# Altium PCB SNES_DRONE_PCB.PcbDoc (part 1 of 2) (continued)
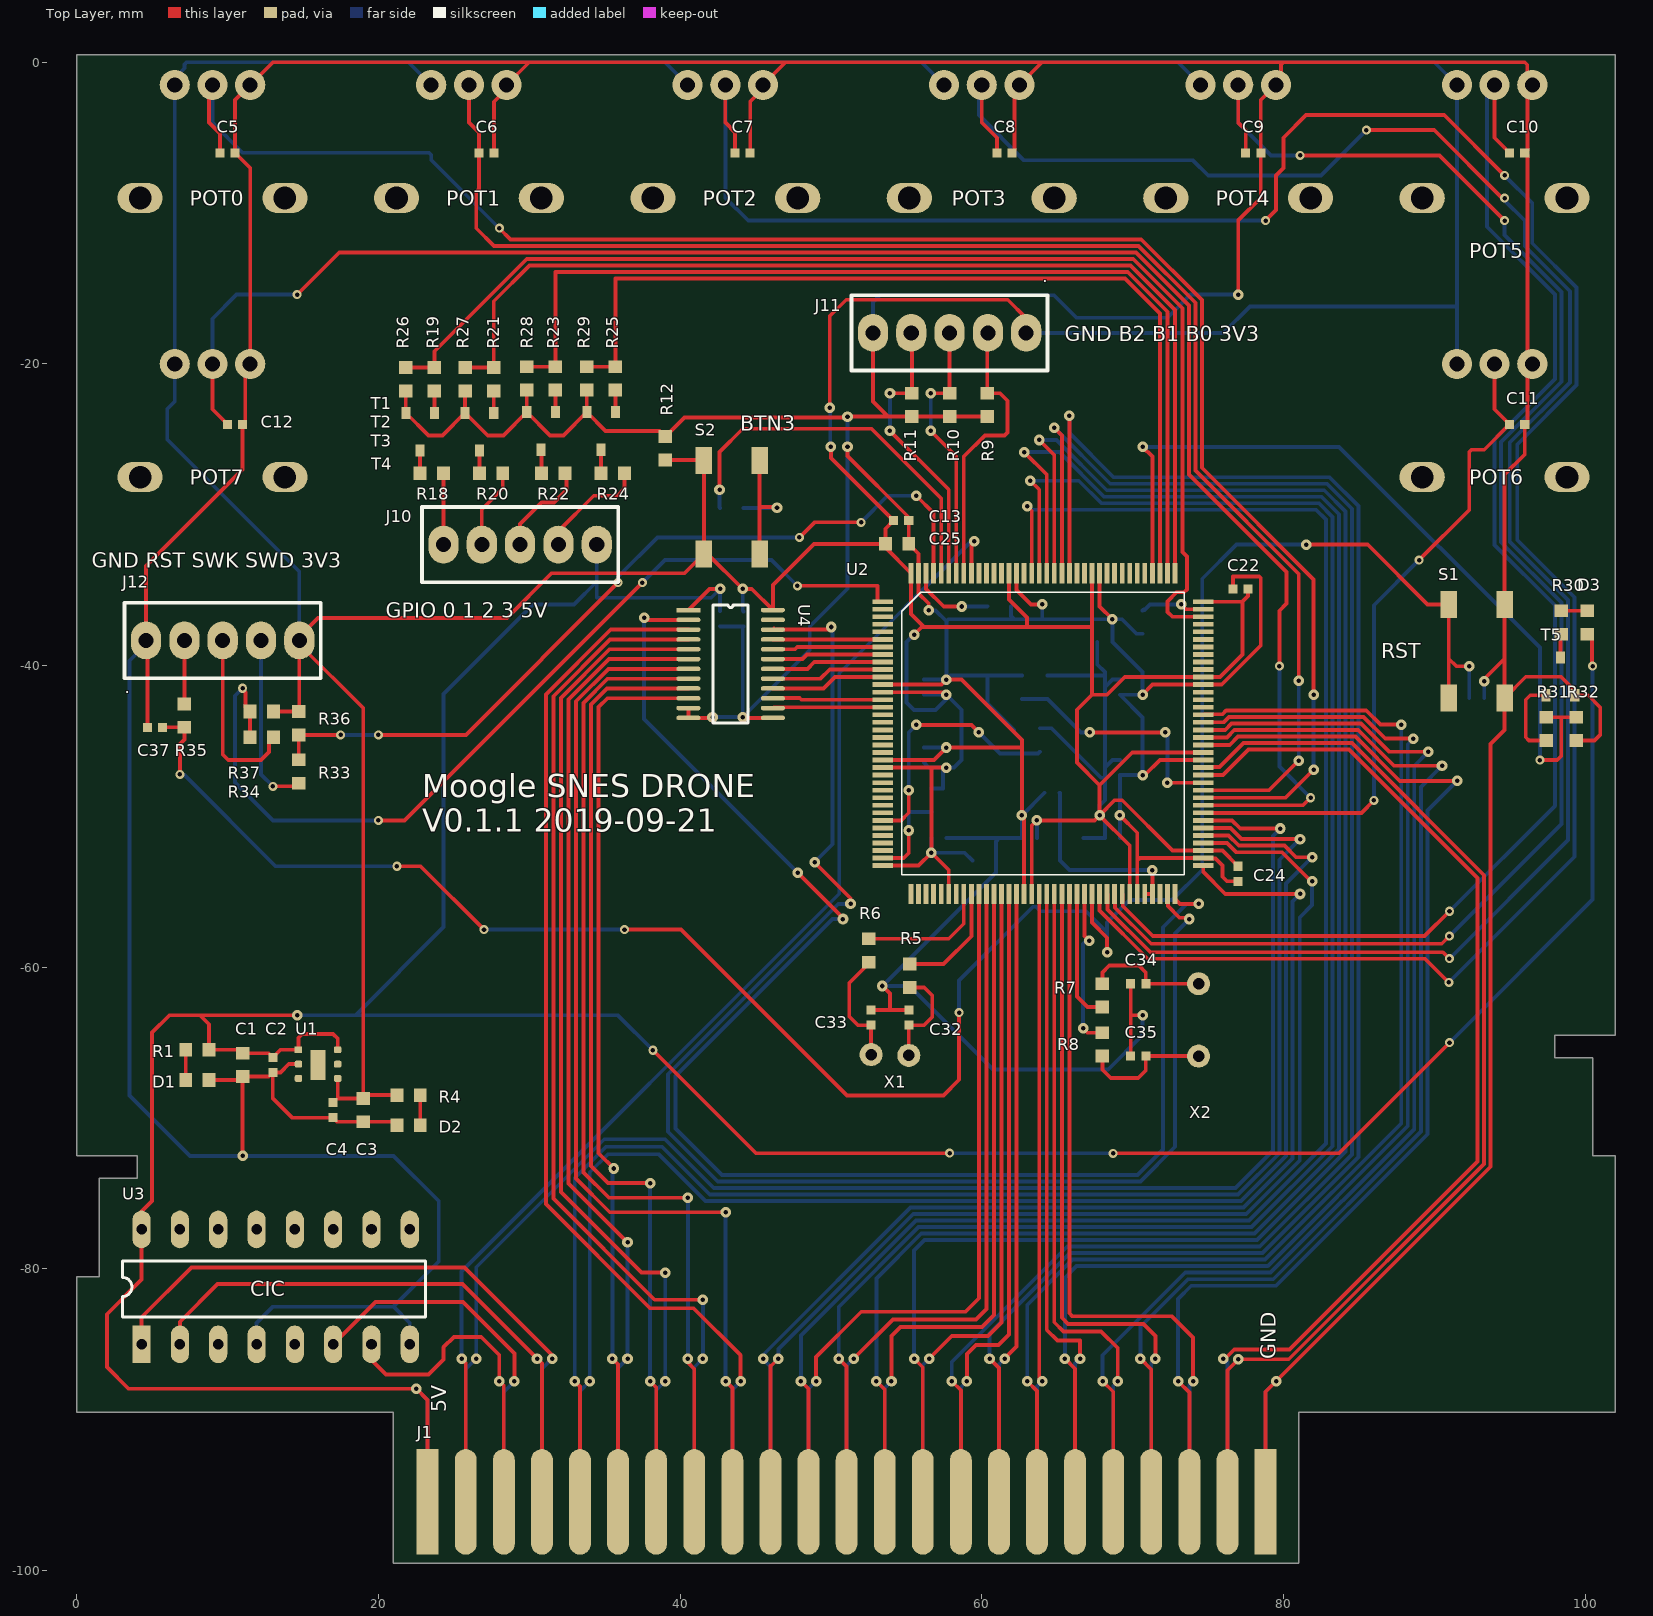
[diagram p0: Top Layer view]
## Components (designator, comment, footprint, x,y, rotation, side; value= is the part's Value field where it differs from the comment) (continued)
P7 "RES_POT_100k_LIN_ALPHA_EURACK" ALPHA_T18 94,-20 r0 bottom value="100k lin"
P8 "RES_POT_100k_LIN_ALPHA_EURACK" ALPHA_T18 9,-20 r0 bottom value="100k lin"
R1 "220Ohm 100mW" 0603_RES 8,-65.47 r0 top value=220R
R2 "DNP" 0603_DNP 56.66,-48.93 r270 bottom value=dnp
R4 "100Ohm 100mW" 0603_RES 22,-68.47 r180 top value=100R
R5 "0R" 0603_RES 55.215,-60.565 r90 top
R6 "0R" 0603_RES 52.515,-58.886 r90 top
R7 "0R" 0603_RES 68,-61.865 r270 top
R8 "0R" 0603_RES 68,-65.115 r90 top
R9 "10kOhm 100mW" 0603_RES 60.365,-22.715 r90 top value=10k
R10 "10kOhm 100mW" 0603_RES 57.865,-22.715 r90 top value=10k
R11 "10kOhm 100mW" 0603_RES 55.365,-22.715 r90 top value=10k
R12 "220kOhm 100mW" 0603_RES 39.015,-25.59 r270 top value=220k
R13 "220Ohm 100mW" 0603_RES 43.425,-29.54 r180 bottom value=220R
R14 "DNP" 0603_DNP 63.855,-44.93 r270 bottom value=dnp
R15 "10kOhm 100mW" 0603_RES 62.15,-45.048 r270 bottom value=10k
R16 "DNP" 0603_DNP 64.364,-41.43 r270 bottom value=dnp
R17 "10kOhm 100mW" 0603_RES 62.66,-41.43 r270 bottom value=10k
R18 "DNP" 0603_DNP 23.54,-27.24 r0 top value=dnp
R19 "10kOhm 100mW" 0603_RES 23.715,-21.015 r270 top value=10k
R20 "DNP" 0603_DNP 27.47,-27.24 r0 top value=dnp
R21 "10kOhm 100mW" 0603_RES 27.645,-21.009 r270 top value=10k
R22 "DNP" 0603_DNP 31.59,-27.24 r0 top value=dnp
R23 "10kOhm 100mW" 0603_RES 31.735,-20.959 r270 top value=10k
R24 "DNP" 0603_DNP 35.54,-27.24 r0 top value=dnp
R25 "10kOhm 100mW" 0603_RES 35.715,-20.959 r270 top value=10k
R26 "100kOhm 100mW" 0603_RES 21.815,-21.015 r90 top value=100k
R27 "100kOhm 100mW" 0603_RES 25.745,-21.009 r90 top value=100k
R28 "100kOhm 100mW" 0603_RES 29.835,-20.959 r90 top value=100k
R29 "100kOhm 100mW" 0603_RES 33.815,-20.959 r90 top value=100k
R30 "DNP" 0603_DNP 98.415,-37.14 r90 top value=dnp
R31 "10kOhm 100mW" 0603_RES 97.415,-44.196 r270 top value=10k
R32 "100kOhm 100mW" 0603_RES 99.415,-44.196 r90 top value=100k
R33 "100Ohm 100mW" 0603_RES 14.716,-47.019 r90 top value=100R
R34 "100Ohm 100mW" 0603_RES 12.262,-44.744 r180 top value=100R
R35 "100Ohm 100mW" 0603_RES 7.136,-43.315 r270 top value=100R
R36 "10kOhm 100mW" 0603_RES 14.716,-43.815 r90 top value=10k
R37 "10kOhm 100mW" 0603_RES 12.262,-43.04 r0 top value=10k
S1 "SW-Button_SMD" SKQGAFE010 92.815,-39.04 r90 top
S2 "SW-Button_SMD" SKQGAFE010 43.425,-29.49 r270 top
T1 "BC817" TO-236AB 23.715,-23.24 r180 top
T2 "BC817" TO-236AB 27.645,-23.24 r180 top
T3 "BC817" TO-236AB 31.735,-23.19 r180 top
T4 "BC817" TO-236AB 35.715,-23.19 r180 top
T5 "BC817" TO-236AB 97.415,-41.965 r0 top
U1 "3V3 LDO" DFN6_3X3 14.7,-65.47 r0 top
U2 "STM32F446ZE" LQFP144_SMALL_PADS 55.31,-55.14 r0 top
U3 "IC_D411A" DIP16 8.11,-81.19 r90 top net-tie
U4 "IC_SN74LVCC3245APWR" TSSOP24 40.55,-36.315 r0 top
X1 "32.768kHz" XTAL_32768KHZ 55.165,-65.84 r180 top
X2 "8MHz" XTAL_8MHZ 74.375,-61.09 r270 top

## Footprints (in the part's own frame and the unit in brackets; to place one, negate y for a bottom-side part, rotate by r counter-clockwise, add the part's x,y. Pads: shape width x height; smd on the part's side, far side on the other; paste and mask are expansions set on the pad)
0402_RES [mm]
  rect 0.6x0.6 smd: 1(-0.5,0) 2(0.5,0)
  body extent -0.5,-0.25 0.5,0.25, height 0.75
0603_DNP [mm]
  rect 0.85x0.9 smd: 1(-0.775,0) 2(0.775,0)
0603_LED [mm]
  rect 0.85x0.9 smd: 1(-0.775,0) 2(0.775,0)
  body extent -0.77,-0.4 0.83,0.4, height 1.07
0603_RES [mm]
  rect 0.85x0.9 smd: 1(-0.775,0) 2(0.775,0)
  body extent -0.85,-0.4 0.85,0.4, height 0.56
ALPHA_T18 [mm]
  round 2 hole 1: 1(-2.5,0) 2(0,0) 3(2.5,0)
  oval 3x2 hole 1.5: 4(-4.8,7.5) 5(4.8,7.5)
  silkscreen extent -6,-1 6,12, body extent -5.74,-0.09 5.79,12.26, height 30.04
DFN6_3X3 [mm]
  rect 0.5x0.45 smd: 1(0,0)
  rrect50% 0.5x0.45 smd: 2(0,-0.95) 3(0,-1.9) 4(2.6,-1.9) 5(2.6,-0.95) 6(2.6,0)
  rect 1x2 smd: 7(1.3,-1)
  body extent -0.25,-2.45 2.85,0.55, height 0.75
DIP16 [mm]
  rect 2.5x1.2 hole 0.7: 1(-3.81,3.81)
  oval 2.5x1.2 hole 0.7: 2(-3.81,1.27) 3(-3.81,-1.27) 4(-3.81,-3.81) 5(-3.81,-6.35) 6(-3.81,-8.89) 7(-3.81,-11.43) 8(-3.81,-13.97) 9(3.81,-13.97) 10(3.81,-11.43) 11(3.81,-8.89) 12(3.81,-6.35) 13(3.81,-3.81) 14(3.81,-1.27) 15(3.81,1.27) 16(3.81,3.81)
  silkscreen extent -2,-15 1.73,5.08, body extent -3.93,-14.98 3.94,4.98, height 5.2
LQFP144_SMALL_PADS [mm]
  rect 0.32x1.35 smd: 1(0,0) 2(0.5,0) 3(1,0) 4(1.5,0) 5(2,0) 6(2.5,0) 7(3,0) 8(3.5,0) 9(4,0) 10(4.5,0) 11(5,0) 12(5.5,0) 13(6,0) 14(6.5,0) 15(7,0) 16(7.5,0) 17(8,0) 18(8.5,0) 19(9,0) 20(9.5,0) 21(10,0) 22(10.5,0) 23(11,0) 24(11.5,0) 25(12,0) 26(12.5,0) 27(13,0) 28(13.5,0) 29(14,0) 30(14.5,0) 31(15,0) 32(15.5,0) 33(16,0) 34(16.5,0) 35(17,0) 36(17.5,0) 73(17.5,21.26) 74(17,21.26) 75(16.5,21.26) 76(16,21.26) 77(15.5,21.26) 78(15,21.26) 79(14.5,21.26) 80(14,21.26) 81(13.5,21.26) 82(13,21.26) 83(12.5,21.26) 84(12,21.26) 85(11.5,21.26) 86(11,21.26) 87(10.5,21.26) 88(10,21.26) 89(9.5,21.26) 90(9,21.26) 91(8.5,21.26) 92(8,21.26) 93(7.5,21.26) 94(7,21.26) 95(6.5,21.26) 96(6,21.26) 97(5.5,21.26) 98(5,21.26) 99(4.5,21.26) 100(4,21.26) 101(3.5,21.26) 102(3,21.26) 103(2.5,21.26) 104(2,21.26) 105(1.5,21.26) 106(1,21.26) 107(0.5,21.26) 108(0,21.26)
  rect 1.35x0.32 smd: 37(19.38,1.88) 38(19.38,2.38) 39(19.38,2.88) 40(19.38,3.38) 41(19.38,3.88) 42(19.38,4.38) 43(19.38,4.88) 44(19.38,5.38) 45(19.38,5.88) 46(19.38,6.38) 47(19.38,6.88) 48(19.38,7.38) 49(19.38,7.88) 50(19.38,8.38) 51(19.38,8.88) 52(19.38,9.38) 53(19.38,9.88) 54(19.38,10.38) 55(19.38,10.88) 56(19.38,11.38) 57(19.38,11.88) 58(19.38,12.38) 59(19.38,12.88) 60(19.38,13.38) 61(19.38,13.88) 62(19.38,14.38) 63(19.38,14.88) 64(19.38,15.38) 65(19.38,15.88) 66(19.38,16.38) 67(19.38,16.88) 68(19.38,17.38) 69(19.38,17.88) 70(19.38,18.38) 71(19.38,18.88) 72(19.38,19.38) 109(-1.88,19.38) 110(-1.88,18.88) 111(-1.88,18.38) 112(-1.88,17.88) 113(-1.88,17.38) 114(-1.88,16.88) 115(-1.88,16.38) 116(-1.88,15.88) 117(-1.88,15.38) 118(-1.88,14.88) 119(-1.88,14.38) 120(-1.88,13.88) 121(-1.88,13.38) 122(-1.88,12.88) 123(-1.88,12.38) 124(-1.88,11.88) 125(-1.88,11.38) 126(-1.88,10.88) 127(-1.88,10.38) 128(-1.88,9.88) 129(-1.88,9.38) 130(-1.88,8.88) 131(-1.88,8.38) 132(-1.88,7.88) 133(-1.88,7.38) 134(-1.88,6.88) 135(-1.88,6.38) 136(-1.88,5.88) 137(-1.88,5.38) 138(-1.88,4.88) 139(-1.88,4.38) 140(-1.88,3.88) 141(-1.88,3.38) 142(-1.88,2.88) 143(-1.88,2.38) 144(-1.88,1.88)
  silkscreen extent -0.62,1.26 18.12,20, body extent -2.25,-0.25 19.75,21.75, height 1.45
MOLEX_22-27-2051 [mm] "5 pin molex connector 2.54mm width"
  oval 2x2.5 hole 1: 1(-5.08,0) 2(-2.54,0) 3(0,0) 4(2.54,0) 5(5.08,0)
  silkscreen extent -6.5,-2.5 6.5,2.5, body extent -6.35,-2.9 6.35,2.9, height 11.92
SKQGAFE010 [mm]
  rect 1.8x1.1 smd: 1(-3.1,1.85) 1(3.1,1.85) 3(-3.1,-1.85) 3(3.1,-1.85)
  body extent -3.1,-2.55 3.3,2.65, height 1.5
"SNES Cartridge Connector" [mm]
  rect 1.45x7 smd far side: 5(55.55,0) 27(0,0)
  oval 1.45x7 smd far side: 6(53.025,0) 7(50.5,0) 8(47.975,0) 9(45.45,0) 10(42.925,0) 11(40.4,0) 12(37.875,0) 13(35.35,0) 14(32.825,0) 15(30.3,0) 16(27.775,0) 17(25.25,0) 18(22.725,0) 19(20.2,0) 20(17.675,0) 21(15.15,0) 22(12.625,0) 23(10.1,0) 24(7.575,0) 25(5.05,0) 26(2.525,0)
  rect 1.45x7 smd: 36(55.55,0) 58(0,0)
  oval 1.45x7 smd: 37(53.025,0) 38(50.5,0) 39(47.975,0) 40(45.45,0) 41(42.925,0) 42(40.4,0) 43(37.875,0) 44(35.35,0) 45(32.825,0) 46(30.3,0) 47(27.775,0) 48(25.25,0) 49(22.725,0) 50(20.2,0) 51(17.675,0) 52(15.15,0) 53(12.625,0) 54(10.1,0) 55(7.575,0) 56(5.05,0) 57(2.525,0)
TO-236AB [mm]
  rect 0.6x0.8 smd: 1(0,0) 2(1.9,0) 3(0.95,2.5)
  body extent -0.45,-0.15 2.45,2.65, height 10
TSSOP24 [mm]
  rect 1.6x0.3 smd: 1(0,0)
  oval 1.6x0.3 smd: 2(0,-0.65) 3(0,-1.3) 4(0,-1.95) 5(0,-2.6) 6(0,-3.25) 7(0,-3.9) 8(0,-4.55) 9(0,-5.2) 10(0,-5.85) 11(0,-6.5) 12(0,-7.15) 13(5.6,-7.15) 14(5.6,-6.5) 15(5.6,-5.85) 16(5.6,-5.2) 17(5.6,-4.55) 18(5.6,-3.9) 19(5.6,-3.25) 20(5.6,-2.6) 21(5.6,-1.95) 22(5.6,-1.3) 23(5.6,-0.65) 24(5.6,0)
  silkscreen extent 1.63,-7.48 3.97,0.33, body extent -0.45,-7.5 5.95,0.3, height 1.11
XTAL_8MHZ [mil]
  round 60 hole 30: 1(0,0) 2(188.98,0)
  body extent -123,-94 312,89, height 138
XTAL_32768KHZ [mil]
  round 60 hole 30: 1(0,0) 2(98.43,-1.97)
  body extent -4,-43 106,39, height 323

## Part data
C1 C3 C27: library part Cap_1u_0603, "Keramikvielschichtkondensator, SMD, 1 µF, 10 V, 0603 [Metrisch 1608], ± 20%, X5R, WCAP-CSGP Series", Manufacturer 1="WURTH ELEKTRONIK", Manufacturer Part Number 1=885012106010, Supplier Part Number 1=2533941, ComponentLink1Description=datasheet, ComponentLink1URL=http://www.farnell.com/datasheets/2031757.pdf?_ga=2.58341487.453785206.1540794792-1293375253.1539206166, ComponentLink2Description=farnell, ComponentLink2URL=https://at.farnell.com/wurth-elektronik/885012106010/kondensator-1-f-10v-20-x5r-0603/dp/2533941?st=1%C2%B5F%20SMD, datasheet=http://www.farnell.com/datasheets/2046096.pdf?_ga=2.184862249.1080119096.1514547302-1693477411.1514385574, farnell number=1166020, Supplier 1=Farnell, Supplier Order Qty 1=10, Supplier Unit Price 1=0,0826
C2 C4 C13 C14 C15 C16 C17 C18 C19 C20 C21 C22 C23 C24 C26 C30 C31 C36 C37: library part Cap_100n_0402, "Keramikvielschichtkondensator, SMD, 0.1 µF, 16 V, 0402 [Metrisch 1005], ± 10%, X5R, Baureihe MC", Manufacturer 1=MULTICOMP, Manufacturer Part Number 1=MC0402X104K160CT, Supplier Part Number 1=1760121, ComponentLink1Description=datasheet, ComponentLink1URL=http://www.farnell.com/datasheets/1901289.pdf?_ga=2.126104776.453785206.1540794792-1293375253.1539206166, ComponentLink2Description=farnell, ComponentLink2URL=https://at.farnell.com/multicomp/mc0402x104k160ct/kondensator-0-1-f-16v-10-x5r-0402/dp/1759388?st=1%C2%B5F%20SMD, datasheet=http://www.farnell.com/datasheets/2046096.pdf?_ga=2.184862249.1080119096.1514547302-1693477411.1514385574, farnell number=1759388, Supplier 1=Farnell, Supplier Order Qty 1=10, Supplier Unit Price 1=0,0226
C5 C6 C7 C8 C9 C10 C11 C12: library part Cap_10n_0402, "Keramikvielschichtkondensator, SMD, 10000 pF, 50 V, 0402 [Metrisch 1005], ± 10%, X7R, AVX 0402 MLCC", Manufacturer 1=AVX, Manufacturer Part Number 1=04025C103KAT2A, Supplier Part Number 1=2332514RL, ComponentLink1Description=farnell, ComponentLink1URL=https://at.farnell.com/avx/04025c103kat2a/kondensator-0-01-f-50v-10-x7r/dp/2332514, ComponentLink2Description=datasheet, ComponentLink2URL=http://www.farnell.com/datasheets/2237835.pdf?_ga=2.156697970.876692561.1541506444-1931041576.1541506444, datasheet=http://www.farnell.com/datasheets/2237835.pdf?_ga=2.110684748.876692561.1541506444-1931041576.1541506444, farnell number=2332514, Supplier 1=Farnell, Supplier Order Qty 1=10, Supplier Unit Price 1=0,0689
C25: library part Cap_4u7_0603, "Keramikvielschichtkondensator, SMD, 4.7 µF, 16 V, 0603 [Metrisch 1608], ± 10%, X5R, Baureihe C", Manufacturer 1=TDK, Manufacturer Part Number 1=C1608X5R1C475K080AC, Supplier Part Number 1=2366559, ComponentLink1Description=datasheet, ComponentLink1URL=http://www.farnell.com/datasheets/2291921.pdf?_ga=2.59363432.453785206.1540794792-1293375253.1539206166, ComponentLink2Description=farnell, ComponentLink2URL=https://at.farnell.com/tdk/c1608x5r1c475k080ac/kondensator-4-7-f-16v-10-x5r-0603/dp/2211173, datasheet=http://www.farnell.com/datasheets/2046096.pdf?_ga=2.184862249.1080119096.1514547302-1693477411.1514385574, farnell number=2211173, Supplier 1=Farnell, Supplier Order Qty 1=10, Supplier Unit Price 1=0,2853
C28 C29: library part Cap_2u2_0603, "C1608X7R1A225K080AC -  Keramikvielschichtkondensator, SMD, 2.2 µF, 10 V, 0603 [Metrisch 1608], ± 10%, X7R, Baureihe C", Manufacturer 1=TDK, Manufacturer Part Number 1=C1608X7R1A225K080AC, Supplier Part Number 1=2354341, ComponentLink1Description=datasheet, ComponentLink1URL=http://www.farnell.com/datasheets/2291921.pdf?_ga=2.136060017.197329085.1542397831-1931041576.1541506444, ComponentLink2Description=farnell, ComponentLink2URL=https://at.farnell.com/tdk/c1608x7r1a225k080ac/kondensator-2-2-f-10v-10-x7r-0603/dp/2346896, farnell number=2346896, Supplier 1=Farnell, Supplier Order Qty 1=10, Supplier Unit Price 1=0,177
C32 C33 C34 C35: library part Cap_2p7_0402, "Keramikvielschichtkondensator, SMD, 2.7 pF, 50 V, 0402 [Metrisch 1005], ± 0.25pF, C0G / NP0", Manufacturer 1=KEMET, Manufacturer Part Number 1=C0402C279C5GACTU, Supplier Part Number 1=8771367, ComponentLink1Description=datasheet, ComponentLink1URL=http://www.farnell.com/datasheets/2315001.pdf?_ga=2.24763903.453785206.1540794792-1293375253.1539206166, ComponentLink2Description=farnell, ComponentLink2URL=https://at.farnell.com/kemet/c0402c279c5gactu/kondensator-2-7pf-50v-c0g-np0/dp/1865415, datasheet=http://www.farnell.com/datasheets/2046096.pdf?_ga=2.184862249.1080119096.1514547302-1693477411.1514385574, farnell number=1865415, Supplier 1=Farnell, Supplier Order Qty 1=10, Supplier Unit Price 1=0,0482
D1 D2 D3: library part LED_RED_0603, "RED SMD 0603 LED 20mA 2V 0.04W", Manufacturer 1=KINGBRIGHT, Manufacturer Part Number 1=KPT-1608EC, Supplier Part Number 1=2099221RL, ComponentLink1Description=datasheet, ComponentLink1URL=http://www.farnell.com/datasheets/2045911.pdf?_ga=2.71890899.197329085.1542397831-1931041576.1541506444, ComponentLink2Description=farnell, ComponentLink2URL=https://at.farnell.com/kingbright/kpt-1608ec/led-rot-0603-smd/dp/2099221, datasheet=http://www.farnell.com/datasheets/2045911.pdf?_ga=2.71890899.197329085.1542397831-1931041576.1541506444, farnell number=2099221, Supplier 1=Farnell, Supplier Order Qty 1=5, Supplier Unit Price 1=0,0686
J10 J11 J12: "5 pin molex connector", Manufacturer 1=Molex, Manufacturer Part Number 1=22-27-2051, Supplier Part Number 1=9731679, ComponentLink1Description=datasheet, ComponentLink1URL=http://www.farnell.com/datasheets/1861453.pdf?_ga=2.126244552.471268527.1516457893-947204359.1516457893, ComponentLink2Description=farnell, ComponentLink2URL=http://at.farnell.com/molex/22-27-2051/header-square-pin-0-1zoll-5way/dp/9731679?ost=9731679&ddkey=http%3Ade-AT%2FElement14_Austria%2Fsearch, datasheet=http://www.farnell.com/datasheets/2266141.pdf?_ga=2.175065506.1080119096.1514547302-1693477411.1514385574, farnell number=9731679, Supplier 1=Farnell, Supplier Order Qty 1=10, Supplier Unit Price 1=0,271
L1: library part FER_0603_470R, "BLM18PG471SN1D -  Ferritperle, 0603 [Metrisch 1608], 470 ohm, 1 A, Baureihe BLM18P, 0.2 ohm, ± 25%", Manufacturer 1=MURATA, Manufacturer Part Number 1=BLM18PG471SN1D, Supplier Part Number 1=1515745RL, ComponentLink1Description=datasheet, ComponentLink1URL=http://www.farnell.com/datasheets/1740433.pdf?_ga=2.107600706.197329085.1542397831-1931041576.1541506444, ComponentLink2Description=farnell, ComponentLink2URL=https://at.farnell.com/murata/blm18pg471sn1d/ferrite-perle-0603-bauform-470ohm/dp/1515745?MER=bn_browse_1TP_MostPopular_1, Suppler Unit Price 1=0,0562, Supplier 1=Farnell, Supplier Order Qty 1=10
P1 P2 P3 P4 P5 P6 P7 P8: "Shaft Diameter – 6mm (0.2?) / Shaft Length – 15mm (0.59?)", Manufacturer 1=Alpha, Manufacturer Part Number 1=SP17090051, Supplier Part Number 1="Alpha 9mm Pots", ComponentLink1Description=thonk, ComponentLink1URL=https://www.thonk.co.uk/shop/alpha-9mm-pots-vertical-t18/, ComponentLink2Description=datasheet, ComponentLink2URL=https://www.thonk.co.uk/wp-content/uploads/2017/12/Alpha-9mm-Vertical-T18-RD901F-40-15K-B50K-0057.pdf, Name="Alpha 9mm T18", Supplier 1=Thonk, Supplier Order Qty 1=1, Supplier Unit Price 1=1,99
R1 R13: library part RES_0603_220_100mW, "YAGEO 220Ohm 100mW ± 1%", Manufacturer 1=YAGEO, Manufacturer Part Number 1=RC0603JR-07220RL, Supplier Part Number 1=9233296RL, ComponentLink1Description=datasheet, ComponentLink1URL=http://www.farnell.com/datasheets/2167052.pdf?_ga=2.63044847.197329085.1542397831-1931041576.1541506444, ComponentLink2Description=farnell, ComponentLink2URL=https://at.farnell.com/yageo/rc0603jr-07220rl/dickschichtwiderstand-220r-5-0/dp/9233296, Suppler Unit Price 1=0,053, Supplier 1=Farnell, Supplier Order Qty 1=10
R2 R14 R16 R18 R20 R22 R24 R30: library part RES_DNP
R4 R33 R34 R35: library part RES_0603_100_100mW, "PANASONIC ELECTRONIC COMPONENTS 100Ohm 100mW ± 1%", Manufacturer 1="PANASONIC ELECTRONIC COMPONENTS", Manufacturer Part Number 1=ERJ3EKF1000V, Supplier Part Number 1=2304564, ComponentLink1Description=datasheet, ComponentLink1URL=http://www.farnell.com/datasheets/1911175.pdf?_ga=2.135975793.197329085.1542397831-1931041576.1541506444, ComponentLink2Description=farnell, ComponentLink2URL=https://at.farnell.com/panasonic-electronic-components/erj3ekf1000v/dickschichtwiderstand-100r-1-0/dp/2303059, Suppler Unit Price 1=0,053, Supplier 1=Farnell, Supplier Order Qty 1=10
R5 R6 R7 R8: library part RES_0603_0R, "YAGEO 0R", Manufacturer 1=YAGEO, Manufacturer Part Number 1=RC0603FR-070RL, Supplier Part Number 1=2309106, ComponentLink1Description=datasheet, ComponentLink1URL=http://www.farnell.com/datasheets/1868787.pdf?_ga=2.169539809.197329085.1542397831-1931041576.1541506444, ComponentLink2Description=farnell, ComponentLink2URL=https://at.farnell.com/yageo/rc0603fr-070rl/dickschichtwiderstand-0r0-1-0/dp/2693558, Suppler Unit Price 1=0,053, Supplier 1=Farnell, Supplier Order Qty 1=10
R9 R10 R11 R15 R17 R19 R21 R23 R25 R31 R36 R37: library part RES_0603_10k_100mW, "YAGEO 10kOhm 100mW ± 1%", Manufacturer 1=YAGEO, Manufacturer Part Number 1=RC0603JR-0710KL, Supplier Part Number 1=9233504RL, ComponentLink1Description=datasheet, ComponentLink1URL=http://www.farnell.com/datasheets/2167052.pdf?_ga=2.236107713.197329085.1542397831-1931041576.1541506444, ComponentLink2Description=farnell, ComponentLink2URL=https://at.farnell.com/yageo/rc0603jr-0710kl/dickschichtwiderstand-10k-5-0/dp/9233504, Suppler Unit Price 1=0,0195, Supplier 1=Farnell, Supplier Order Qty 1=10
R12: library part RES_0603_220k_100mW, "VISHAY 220kOhm 100mW ± 1%", Manufacturer 1=VISHAY, Manufacturer Part Number 1=CRCW0603220KFKEA, Supplier Part Number 1=2122659, ComponentLink1Description=datasheet, ComponentLink1URL=http://www.farnell.com/datasheets/2310790.pdf?_ga=2.144355573.197329085.1542397831-1931041576.1541506444, ComponentLink2Description=farnell, ComponentLink2URL=https://at.farnell.com/vishay/crcw0603220kfkea/dickschichtwiderstand-220k-1-0/dp/1469783, Suppler Unit Price 1=0,021, Supplier 1=Farnell, Supplier Order Qty 1=10
R26 R27 R28 R29 R32: library part RES_0603_100k_100mW, "WALSIN 6.8kOhm 100mW 75 ± 1%", Manufacturer 1=YAGEO, Manufacturer Part Number 1=RC0603FR-13100KL, Supplier Part Number 1=1799369, ComponentLink1Description=farnell, ComponentLink1URL=http://at.farnell.com/yageo/rc0603fr-13100kl/dickschichtwiderstand-100k-1-0/dp/2309107?ost=2309107&scope=partnumberlookahead&exaMfpn=true&searchref=searchlookahead&ddkey=http%3Ade-AT%2FElement14_Austria%2Fw%2Fsearch, ComponentLink2Description=datasheet, ComponentLink2URL=http://www.farnell.com/datasheets/2167052.pdf?_ga=2.98118940.2061832810.1527062369-1851341051.1526919624, datasheet=http://www.farnell.com/datasheets/1960319.pdf?_ga=2.194175406.2061832810.1527062369-1851341051.1526919624, price=0,0156, Suppler Unit Price 1=0,0156, Supplier 1=Farnell, Supplier Order Qty 1=1
S1 S2: "ALPS SMD Push Button", Manufacturer 1=ALPS, Manufacturer Part Number 1=SKQGAFE010, Supplier Part Number 1=2056843RL, ComponentLink1Description=datasheet, ComponentLink1URL=http://www.farnell.com/datasheets/1582326.pdf?_ga=2.174774114.197329085.1542397831-1931041576.1541506444, ComponentLink2Description=farnell, ComponentLink2URL=https://at.farnell.com/alps/skqgafe010/taster-smd-0-98n-5-2x5-2mm/dp/2056843, Supplier 1=Farnell, Supplier Order Qty 1=10, Supplier Unit Price 1=0,544
T1 T2 T3 T4 T5: library part BJT_NPN_BC817, "BJT, NPN, 45 V, 250 mW, 500 mA, 160 hFE", Manufacturer 1=NEXPERIA, Manufacturer Part Number 1=BC817-25,215, Supplier Part Number 1=2336779, ComponentLink1Description=datasheet, ComponentLink1URL=http://www.farnell.com/datasheets/699988.pdf?_ga=2.152104250.2061832810.1527062369-1851341051.1526919624, ComponentLink2Description=farnell, ComponentLink2URL=http://at.farnell.com/nexperia/bc817-25-215/bipolartransistor-npn-45v-0-5a/dp/1081224?ost=1081224&scope=partnumberlookahead&exaMfpn=true&searchref=searchlookahead&ddkey=http%3Ade-AT%2FElement14_Austria%2Fw%2Fsearch, datasheet=http://www.farnell.com/datasheets/1913545.pdf?_ga=2.172501667.1080119096.1514547302-1693477411.1514385574, farnell number=1081224, Supplier 1=Farnell, Supplier Order Qty 1=5, Supplier Unit Price 1=0,123
U1: library part IC_LD39050PU33R, "1.5V bis 5.5V, 200mV Dropout, 3.3Vout/500mAout, DFN-6", Manufacturer 1=STMICROELECTRONICS, Manufacturer Part Number 1=LD39050PU33R, Supplier Part Number 1=2762703, ComponentLink1Description=datasheet, ComponentLink1URL=http://www.farnell.com/datasheets/2370074.pdf?_ga=2.122701195.1861125961.1540492103-1293375253.1539206166, ComponentLink2Description=farnell, ComponentLink2URL=https://at.farnell.com/stmicroelectronics/ld39050pu33r/ldo-festspannungsregler-3-3v-05a/dp/2762703?ost=LD39050PU33R&scope=partnumberlookahead&searchref=searchlookahead&krypto=v2O8xpEkDJEehvbX%2FqTLShvehAxaR7YbrljqfXBDfuj50zIfUNJeDFxoc2A0Cze08nzHIR4SF3CGrRPxKfCBL9N4Yq42Uy500A7%2FEdTt8dRzgOzw%2Fj8TwoNTEnMHnxO5P9nblZl0nzcfLW4eKl3g9jkyXKFZo%2F%2F3gERokDoSJd1daTFFRRG4RHWY%2Faw5mstGXXVWChlIPClwUAfBvs7lsEkRRi3L6BEEcjGgbxAmuoyjrflm7W2cmCmFAOX3jxKSRrOL8bJdTwNoMSzZ80NlaqzDSklx7xUjpCCk0RrUqrhS2rfn8XOS9ekSGIN0jisMQ6yjxseOFahLMnID9YfMZLLrejIw7PCACE1KH5QrAhyB26QC6ydHdbiQWH38XibCYFlNF97wsMPhACNpyLVOfvihx8YctuoiihZPzzNLaWIIhos8bwZ1UCOH2zQQRLrAeq2frwHKfhpeRWeoHaU5KdzS3UWiDRDfxbAEMyuoNh2cSvLml6uU0JaqTtRq9XRhe4o8m2xstAETCiIEjA%2FYjMpxUs0LrbliBVEf%2Fd68ExGXwImciRdIZuwzcLHVr7kACefKmRIghVm8Cat3FppUfM3dD2yHupMFxuFRTHI4kG8%3D&ddkey=https%3Ade-AT%2FElement14_Austria%2Fw%2Fsearch, Supplier 1=Farnell, Supplier Order Qty 1=1, Supplier Unit Price 1=0,915
U2: "ARM Cortex-M4, 180MHz, 512KB, 128KB", Manufacturer 1=ST, Manufacturer Part Number 1=STM32F446ZET6, Supplier Part Number 1=2488317, ComponentLink1Description=datasheet, ComponentLink1URL=http://www.farnell.com/datasheets/2309063.pdf?_ga=2.211445013.1861125961.1540492103-1293375253.1539206166, ComponentLink2Description=farnell, ComponentLink2URL=https://at.farnell.com/stmicroelectronics/stm32f446zet6/mcu-32bit-cortex-m4-180mhz-lqfp/dp/2488317?ost=STM32F446ZET6&scope=partnumberlookahead&searchref=searchlookahead&krypto=c3kNjvKBdgDFfKBoyKQ7uBR8CcHN8OihP%2FFRmWmhnjqGKzkXdgHVEsC0KjPeQc4yhoNBdiRdvz1UNXoeZ%2Bj9Wls9Ou9qhpytzyrLSPkMbSzMdEC257%2FL94QRGGS5HHvaMslZO2Q7%2B6CdbVDy5GqmpX33KX1yJm4tp9dxxMEe1JMGz1J40K%2BG1giSzi911lbsFGEvkm%2B2OaJvWyaxtKR2mAyqWullap%2BAFNEvolJUG1EHPiy5cjnXeImhlfdZhtWBdLgHpejLEui5Q6y5U7L2NYvYUl3K5pituisIIykjMSPPvhjcMk3tWgIKuacRYgN8kxpcHrLkyaDLpzoP5T5NY%2BHR9SwopXidDHX9YI3Yb34Y3YXsCIKK8qKpz0zDmwafzwjYGEhxJbTR8qzPL%2BDUrkSJooKnNUI2RI4wv%2FqyRs36BnDpuxjqxlwlPyG%2BLBMeDOHMBNjHJC4brpI6hfLJj75Ajkn2U7w%2B31NVMZq3xrvyCIT%2B4tTT8Pu%2BR%2FG%2FjvegGvNF1Kbe90ARMvaGPJ5x6rIipkziu%2BsfsHaTJXClEq2NLmS%2FHmvLTHYQS1iCR0rt0zwDZQAJpIRPSuMTGAQvu7iD0LTYC7oHGR4HslyVtrM%3D&ddkey=https%3Ade-AT%2FElement14_Austria%2Fw%2Fsearch, ComponentLink3Description=STM, ComponentLink3URL=https://www.st.com/en/microcontrollers/stm32f446ze.html, datasheet=http://www.farnell.com/datasheets/1913545.pdf?_ga=2.172501667.1080119096.1514547302-1693477411.1514385574, farnell number=2535607, Supplier 1=Farnell, Supplier Order Qty 1=5, Supplier Unit Price 1=0,914
U3: "SNES CIC Chip", ComponentLink1Description=info, ComponentLink1URL=https://wiki.superfamicom.org/cic
U4: "Bus-Transceiver, Produktreihe LVC, 8 Eingänge, 50mA, 7ns, 2.3V bis 5.5V, TSSOP 24", Manufacturer 1="TEXAS INSTRUMENTS", Manufacturer Part Number 1=SN74LVCC3245APWR, Supplier Part Number 1=2854646, ComponentLink3Description=datsheet, ComponentLink3URL=http://www.ti.com/lit/ds/symlink/sn74lvcc3245a.pdf, ComponentLink4Description=farnell, ComponentLink4URL=https://at.farnell.com/texas-instruments/sn74lvcc3245apwr/bus-transceiver-8bit-tssop-24/dp/2854646?rpsku=rel3%3A2119962&st=2119962, Supplier 1=Farnell, Supplier Order Qty 1=1, Supplier Unit Price 1=0,99
X1: library part XTAL_32.768kHz, "AB38T-32.768KHZ -  Quarz, 32.768 kHz, Zylinder, radial bedrahtet, 8.2mm x 3.2mm Durchm., 12.5 pF, 20 ppm", Manufacturer 1=ABRACON, Manufacturer Part Number 1=AB38T-32.768KHZ, Supplier Part Number 1=1611828, ComponentLink1Description=datasheet, ComponentLink1URL=http://www.farnell.com/datasheets/1883667.pdf?_ga=2.68425681.197329085.1542397831-1931041576.1541506444, ComponentLink2Description=farnell, ComponentLink2URL=https://at.farnell.com/abracon/ab38t-32-768khz/quarz-32-768khz-12-5pf-uhr-a/dp/1611828, Supplier 1=Farnell, Supplier Order Qty 1=1, Supplier Unit Price 1=0,167
X2: library part XTAL_8MHz, "9B-8.000MAAJ-B -  Quarz, 8 MHz, Durchsteckmontage, 11.5mm x 5mm, 30 ppm, 18 pF, 30 ppm, Baureihe 9B", Manufacturer 1=TXC, Manufacturer Part Number 1=9B-8.000MAAJ-B, Supplier Part Number 1=1842268, ComponentLink1Description=farnell, ComponentLink1URL=https://at.farnell.com/txc/9b-8-000maaj-b/xtal-8-000mhz-18pf-hc-49s/dp/1842268, ComponentLink2Description=datasheet, ComponentLink2URL=http://www.farnell.com/datasheets/1364712.pdf?_ga=2.75608277.197329085.1542397831-1931041576.1541506444, Supplier 1=Farnell, Supplier Order Qty 1=1, Supplier Unit Price 1=0,453

## Via types
v1: diameter 0.7, hole 0.3, Top Layer to Bottom Layer, 132 vias
v2: diameter 0.6, hole 0.3, Top Layer to Bottom Layer, 37 vias

## Nets (pads, with @x,y where several pads share a name; then routed paths per layer and width w, separated by ;. In a path a pad name is that pad's centre, name@x,y a point inside that pad or via, vN(x,y) a via of type N, cw(c..) or ccw(c..) an arc to the next point about the centre after c; other vN are vias at no path point)
+3V3: C3.2 C4.2 C13.2 C14.2 C15.2 C16.2 C17.2 C18.2 C19.2 C20.2 C21.2 C22.2 C23.2 C24.2 C25.2 C27.2 C31.1 J11.1 J12.5 L1.1 P1.1 P2.1 P3.1 P4.1 P5.1 P6.1 P7.1 P8.1 R2.1 R4.2 R12.2 R14.1 R16.1 R36.2 R37.2 S2.3 U1.4 U2.6 U2.17 U2.30 U2.39 U2.52 U2.62 U2.72 U2.84 U2.95 U2.108 U2.121 U2.131 U2.144 U4.24 | length 481.1
  Top Layer w0.254: R37.2@13.037,-43.04 R36.2@14.716,-43.04 14.756,-43 J12.5@14.756,-38.582 ; U1.4@17.3,-67.37 17.3,-68.67 17.325,-68.695 C3.2@19,-68.695 ; R4.2@21.225,-68.47 19.225,-68.47 C3.2@19,-68.695 ; R12.2@39.015,-26.365 41.55,-26.365 S2.3@41.575,-26.39 S2.3@41.575,-32.59 ; v1(49.92,-22.9) 49.92,-16.832 51.012,-15.74 61.72,-15.74 62.945,-16.965 J11.1@62.945,-17.94 ; v1(50,-25.5) 50.016,-25.516 50.016,-26.231 C13.2@54.16,-30.376 53.61,-30.926 C25.2@53.61,-31.93 ; U2.144@53.43,-53.26 55.81,-53.26 v1(56.66,-52.41) ; U2.131@53.43,-46.76 56.66,-46.76 ; U2.121@53.43,-41.76 57.49,-41.76 v1(57.66,-41.93) ; v1(55.515,-37.94) 56.025,-37.43 56.16,-37.43 ; v1(57.66,-46.76) 56.66,-46.76 ; U2.6@57.81,-55.14 57.81,-53.56 v1(56.66,-52.41) ; U2.95@61.81,-33.88 61.81,-35.625 63,-36.815 63,-37.43 ; U2.17@63.31,-55.14 63.31,-50.61 v1(63.66,-50.26) 67.48,-50.26 v1(67.81,-49.93) ; U2.84@67.31,-33.88 67.31,-37.43 ; U2.30@69.81,-55.14 69.81,-51.93 v1(67.81,-49.93) ; U2.52@74.69,-45.76 69.98,-45.76 67.81,-47.93 ; U2.72@74.69,-35.76 77.28,-35.76 ; C24.2@76.999,-53.3 75.958,-52.26 U2.39@74.69,-52.26 72.64,-52.26 69.31,-48.93 68.81,-48.93 v1(67.81,-49.93) ; C22.2@77.66,-34.93 77.66,-35.38 77.28,-35.76 ; J12.5@14.756,-38.582 19,-42.826 C3.2@19,-68.695 ; J12.5@14.756,-38.582 J12.5@14.756,-38.332 14.756,-38.082 15.998,-36.84 28.515,-36.84 31.475,-33.88 40.285,-33.88 S2.3@41.575,-32.59 ; S2.3@41.575,-32.59 41.825,-32.59 v1(44.15,-34.915) 44.75,-34.915 U4.24@46.15,-36.315 46.15,-34.65 48.87,-31.93 C25.2@53.61,-31.93 ; C25.2@53.61,-31.93 53.61,-32.18 U2.108@55.31,-33.88 55.31,-36.58 56.16,-37.43 ; 56.16,-37.43 63,-37.43 ; v1(56.66,-52.41) 56.66,-46.76 ; 63,-37.43 67.31,-37.43 ; 67.31,-41.93 68.31,-41.93 69.48,-40.76 U2.62@74.69,-40.76 75.794,-40.76 77.28,-39.274 77.28,-35.76 ; 67.31,-41.93 66.31,-42.93 66.31,-46.43 67.81,-47.93 ; 67.31,-41.93 67.31,-37.43 ; v1(67.81,-49.93) 67.81,-47.93
  Bottom Layer w0.254: J12.5@15.515,-39.091 J12.5@14.756,-38.332 14.756,-33.756 6,-25 6,-22.986 6.5,-22.486 P8.1@6.5,-20 P1.1@6.5,-1.5 6.5,-1.028 7.136,-0.392 7.136,-0.149 7.285,0 22,0 ; P2.1@23.5,-1.5 22,0 ; P3.1@40.5,-1.5 39,0 ; v1(44.15,-34.915) 44.15,-36.365 C31.1@44.2,-36.415 ; v1(49.92,-22.9) 49.96,-22.94 49.96,-25.46 v1(50,-25.5) ; v1(55.515,-37.94) 55.015,-38.44 55.015,-42.44 55.515,-42.94 56.935,-42.94 57.66,-42.215 v1(57.66,-41.93) ; C15.2@56.16,-46.43 56.49,-46.76 v1(57.66,-46.76) ; C14.2@56.16,-41.93 v1(57.66,-41.93) ; C16.2@56.66,-51.43 v1(56.66,-52.41) 58.865,-52.41 C27.2@59.385,-52.93 ; R2.1@56.66,-48.155 57.435,-48.155 57.435,-46.985 v1(57.66,-46.76) ; P4.1@57.5,-1.5 56,0 ; J11.1@62.945,-17.94 76.015,-17.94 77.775,-16.181 91.5,-16.181 ; C17.2@63.66,-51.43 v1(63.66,-50.26) ; R14.1@63.855,-44.155 64.626,-44.155 67.901,-47.43 68.16,-47.43 ; R16.1@64.364,-40.655 68.16,-40.655 ; L1.1@66.731,-51.43 C18.2@68.16,-51.43 68.16,-50.28 v1(67.81,-49.93) 67.81,-49.28 C19.2@68.16,-48.93 68.16,-47.43 ; C23.2@67.66,-38.43 67.66,-39.93 68.16,-40.43 68.16,-40.655 ; C21.2@69.156,-40.93 68.66,-40.93 68.16,-41.43 ; C20.2@69.16,-46.26 68.66,-46.26 68.16,-46.76 ; P5.1@74.5,-1.5 73,0 ; P7.1@91.5,-20 91.5,-16.181 ; 22,0 39,0 ; 39,0 56,0 ; 56,0 73,0 ; v1(57.66,-46.76) 58.16,-46.76 58.66,-46.26 58.66,-42.93 v1(57.66,-41.93) ; 68.16,-47.43 68.16,-46.76 ; 68.16,-46.76 68.16,-41.43 ; 68.16,-41.43 68.16,-40.655 ; 73,0 90,0 P6.1@91.5,-1.5 91.5,-16.181
+5V: C1.2 C2.2 C30.2 D3.1 J1.27 J1.58 J10.1 R1.2 U1.1 U1.6 U3.16 U4.1 | length 251
  Top Layer w0.254: v1(14.615,-63.185) 8.185,-63.185 ; U1.6@17.3,-65.47 17.3,-64.72 17,-64.42 14.95,-64.42 14.7,-64.67 U1.1@14.7,-65.47 13.5,-65.47 C2.2@13,-65.97 12.725,-65.695 C1.2@11,-65.695 10.775,-65.47 R1.2@8.775,-65.47 8.775,-63.775 8.185,-63.185 ; J1.58@23.265,-95.44 23.265,-88.69 v1(22.515,-87.94) 3.44,-87.94 2,-86.5 2,-83 4.3,-80.7 U3.16@4.3,-77.38 4.3,-76.2 5,-75.5 5,-64.315 6.13,-63.185 8.185,-63.185 ; v2(38.2,-65.5) 45.025,-72.325 v2(57.865,-72.325) ; U4.1@40.55,-36.315 41.95,-34.915 v1(42.65,-34.915) ; v2(68.715,-72.331) 83.681,-72.331 v2(91.011,-65) ; D3.1@100.144,-37.915 100.169,-37.915 100.467,-38.213 100.467,-40.007 v2(100.5,-40.04)
  Bottom Layer w0.254: v1(14.615,-63.185) 18.47,-63.185 ; v1(22.515,-87.94) 23.265,-88.69 J1.27@23.265,-95.44 ; J10.1@34.475,-31.973 34.475,-34.44 ; v2(38.2,-65.5) 35.885,-63.185 18.47,-63.185 ; C30.2@42.65,-36.39 v1(42.65,-34.915) 42.065,-35.5 34.475,-35.5 34.475,-34.44 ; v2(57.865,-72.325) 68.709,-72.325 v2(68.715,-72.331) ; v2(91.011,-65) 100.5,-55.511 v2(100.5,-40.04) ; 18.47,-63.185 24.315,-57.34 24.315,-41.885 30.26,-35.94 32.975,-35.94 34.475,-34.44
ADR0: J1.17 U2.10 | length 49
  Top Layer w0.254: v1(49.015,-87.44) 49.015,-85.84 52.015,-82.84 58.915,-82.84 59.81,-81.945 U2.10@59.81,-55.14
  Bottom Layer w0.254: J1.17@48.515,-95.44 48.515,-87.94 v1(49.015,-87.44)
ADR1: J1.16 U2.11 | length 47.4
  Top Layer w0.254: v1(51.515,-85.94) 54.115,-83.34 59.615,-83.34 60.31,-82.645 U2.11@60.31,-55.14
  Bottom Layer w0.254: J1.16@51.04,-95.44 51.04,-86.415 v1(51.515,-85.94)
ADR2: J1.15 U2.12 | length 46.5
  Top Layer w0.254: v1(54.015,-87.44) 54.015,-84.44 54.615,-83.84 60.015,-83.84 60.81,-83.045 U2.12@60.81,-55.14
  Bottom Layer w0.254: J1.15@53.565,-95.44 53.565,-87.89 v1(54.015,-87.44)
ADR3: J1.14 U2.13 | length 43.9
  Top Layer w0.254: v1(56.515,-85.94) 58.015,-84.44 60.415,-84.44 61.31,-83.545 U2.13@61.31,-55.14
  Bottom Layer w0.254: J1.14@56.09,-95.44 56.09,-86.365 v1(56.515,-85.94)
ADR4: J1.13 U2.14 | length 42.5
  Top Layer w0.254: v1(59.015,-87.44) 59.015,-85.635 59.61,-85.04 61.11,-85.04 61.81,-84.34 U2.14@61.81,-55.14
  Bottom Layer w0.254: J1.13@58.615,-95.44 58.615,-87.84 v1(59.015,-87.44)
ADR5: J1.12 U2.15 | length 40.8
  Top Layer w0.254: v1(61.515,-85.94) 62.31,-85.145 U2.15@62.31,-55.14
  Bottom Layer w0.254: J1.12@61.14,-95.44 61.14,-86.315 v1(61.515,-85.94)
ADR6: J1.11 U2.18 | length 40.5
  Top Layer w0.254: U2.18@63.81,-55.14 63.81,-87.235 v1(64.015,-87.44)
  Bottom Layer w0.254: J1.11@63.665,-95.44 63.665,-87.79 v1(64.015,-87.44)
ADR7: J1.10 U2.19 | length 42.2
  Top Layer w0.254: U2.19@64.31,-55.14 64.31,-84.035 65.015,-84.74 66.515,-84.74 v1(66.515,-85.94)
  Bottom Layer w0.254: J1.10@66.19,-95.44 66.19,-86.265 v1(66.515,-85.94)
ADR8: J1.9 U2.20 | length 43.6
  Top Layer w0.254: U2.20@64.81,-55.14 64.81,-83.535 65.415,-84.14 67.91,-84.14 69.015,-85.245 v1(69.015,-87.44)
  Bottom Layer w0.254: J1.9@68.715,-95.44 68.715,-87.74 v1(69.015,-87.44)
ADR9: J1.8 U2.21 | length 45.9
  Top Layer w0.254: U2.21@65.31,-55.14 65.31,-83.23 65.72,-83.64 70.715,-83.64 71.515,-84.44 v1(71.515,-85.94)
  Bottom Layer w0.254: J1.8@71.24,-95.44 71.24,-86.215 v1(71.515,-85.94)
ADR10: J1.7 U2.22 | length 47.7
  Top Layer w0.254: U2.22@65.81,-55.14 65.81,-82.935 66.015,-83.14 72.615,-83.14 74.015,-84.54 v1(74.015,-87.44)
  Bottom Layer w0.254: J1.7@73.765,-95.44 73.765,-87.69 v1(74.015,-87.44)
ADR11: J1.6 U2.49 | length 73.1
  Top Layer w0.254: U2.49@74.69,-47.26 76,-47.26 77.692,-45.568 84.354,-45.568 92.868,-54.082 92.868,-72.866 80.399,-85.335 76.744,-85.335 76.139,-85.94 v1(76.015,-85.94)
  Bottom Layer w0.254: v1(76.015,-85.94) 76.065,-85.94 76.29,-86.165 J1.6@76.29,-95.44
ADR12: J1.37 U2.50 | length 73.5
  Top Layer w0.254: U2.50@74.69,-46.76 74.723,-46.727 75.773,-46.727 77.364,-45.136 84.536,-45.136 93.3,-53.9 93.3,-73.044 80.355,-85.99 v1(77.015,-85.99) 76.29,-86.715 J1.37@76.29,-95.44
ADR13: J1.38 U2.53 | length 77.3
  Top Layer w0.254: v1(73.015,-87.44) 73.765,-88.19 J1.38@73.765,-95.44 ; U2.53@74.69,-45.26 76.44,-45.26 76.996,-44.704 84.78,-44.704 87.715,-47.64 v1(91.515,-47.64)
  Bottom Layer w0.254: v1(73.015,-87.44) 73.015,-81.985 73.891,-81.109 79.503,-81.109 89.542,-71.069 89.542,-49.613 v1(91.515,-47.64)
ADR14: J1.39 U2.54 | length 77.7
  Top Layer w0.254: v1(70.515,-85.94) 71.24,-86.665 J1.39@71.24,-95.44 ; U2.54@74.69,-44.76 76.254,-44.76 76.741,-44.273 84.959,-44.273 87.326,-46.64 v1(90.515,-46.64)
  Bottom Layer w0.254: v1(70.515,-85.94) 70.515,-83.829 73.667,-80.677 79.324,-80.677 89.111,-70.89 89.111,-48.044 v1(90.515,-46.64)
ADR15: J1.40 U2.55 | length 78.2
  Top Layer w0.254: v1(68.015,-87.44) 68.715,-88.14 J1.40@68.715,-95.44 ; U2.55@74.69,-44.26 76.143,-44.26 76.562,-43.841 85.137,-43.841 87.001,-45.705 v1(89.615,-45.705)
  Bottom Layer w0.254: v1(68.015,-87.44) 68.015,-85.719 73.488,-80.245 79.145,-80.245 88.679,-70.711 88.679,-46.641 v1(89.615,-45.705)
ADR16: J1.41 U2.56 | length 82.5
  Top Layer w0.254: v1(65.515,-85.94) 66.19,-86.615 J1.41@66.19,-95.44 ; U2.56@74.69,-43.76 76.033,-43.76 76.383,-43.409 85.316,-43.409 86.747,-44.84 v1(88.615,-44.84)
  Bottom Layer w0.254: v1(65.515,-85.94) 65.515,-80.585 66.286,-79.814 78.966,-79.814 88.247,-70.533 88.247,-45.208 v1(88.615,-44.84)
ADR17: J1.42 U2.57 | length 83.2
  Top Layer w0.254: v1(63.015,-87.44) 63.665,-88.09 J1.42@63.665,-95.44 ; U2.57@74.69,-43.26 74.723,-43.227 75.955,-43.227 76.205,-42.977 85.495,-42.977 86.428,-43.91 v1(87.815,-43.91)
  Bottom Layer w0.254: v1(63.015,-87.44) 63.015,-82.389 66.023,-79.382 78.787,-79.382 87.815,-70.354 v1(87.815,-43.91)
ADR18: J1.43 U2.87 | length 116.6
  Top Layer w0.254: v1(60.515,-85.94) 61.14,-86.565 J1.43@61.14,-95.44 ; U2.87@65.81,-33.88 v1(65.81,-23.445)
  Bottom Layer w0.254: v1(60.515,-85.94) 60.515,-84.279 65.844,-78.95 78.608,-78.95 84.979,-72.58 84.979,-29.424 83.064,-27.509 68.744,-27.509 65.81,-24.575 v1(65.81,-23.445)
ADR19: J1.44 U2.88 | length 116.4
  Top Layer w0.254: v1(58.015,-87.44) 58.615,-88.04 J1.44@58.615,-95.44 ; v1(64.815,-24.24) 65.31,-24.735 U2.88@65.31,-33.88
  Bottom Layer w0.254: v1(58.015,-87.44) 58.015,-86.168 65.665,-78.518 78.429,-78.518 84.547,-72.401 84.547,-29.603 82.885,-27.941 68.516,-27.941 v1(64.815,-24.24)
ADR20: J1.45 U2.89 | length 122.2
  Top Layer w0.254: v1(55.515,-85.94) 56.09,-86.515 J1.45@56.09,-95.44 ; v1(63.81,-25.04) 64.81,-26.04 U2.89@64.81,-33.88
  Bottom Layer w0.254: v1(55.515,-85.94) 55.515,-78.785 56.214,-78.086 78.251,-78.086 84.115,-72.222 84.115,-29.782 82.706,-28.373 68.287,-28.373 64.954,-25.04 v1(63.81,-25.04)
ADR21: J1.46 U2.90 | length 122.6
  Top Layer w0.254: v1(53.015,-87.44) 53.565,-87.99 J1.46@53.565,-95.44 ; v1(62.81,-25.84) 64.31,-27.34 U2.90@64.31,-33.88
  Bottom Layer w0.254: v1(53.015,-87.44) 53.015,-80.632 55.993,-77.655 78.072,-77.655 83.683,-72.043 83.683,-29.961 82.527,-28.805 68.108,-28.805 65.144,-25.84 v1(62.81,-25.84)